# KiCad board Marble.kicad_pcb (continued)
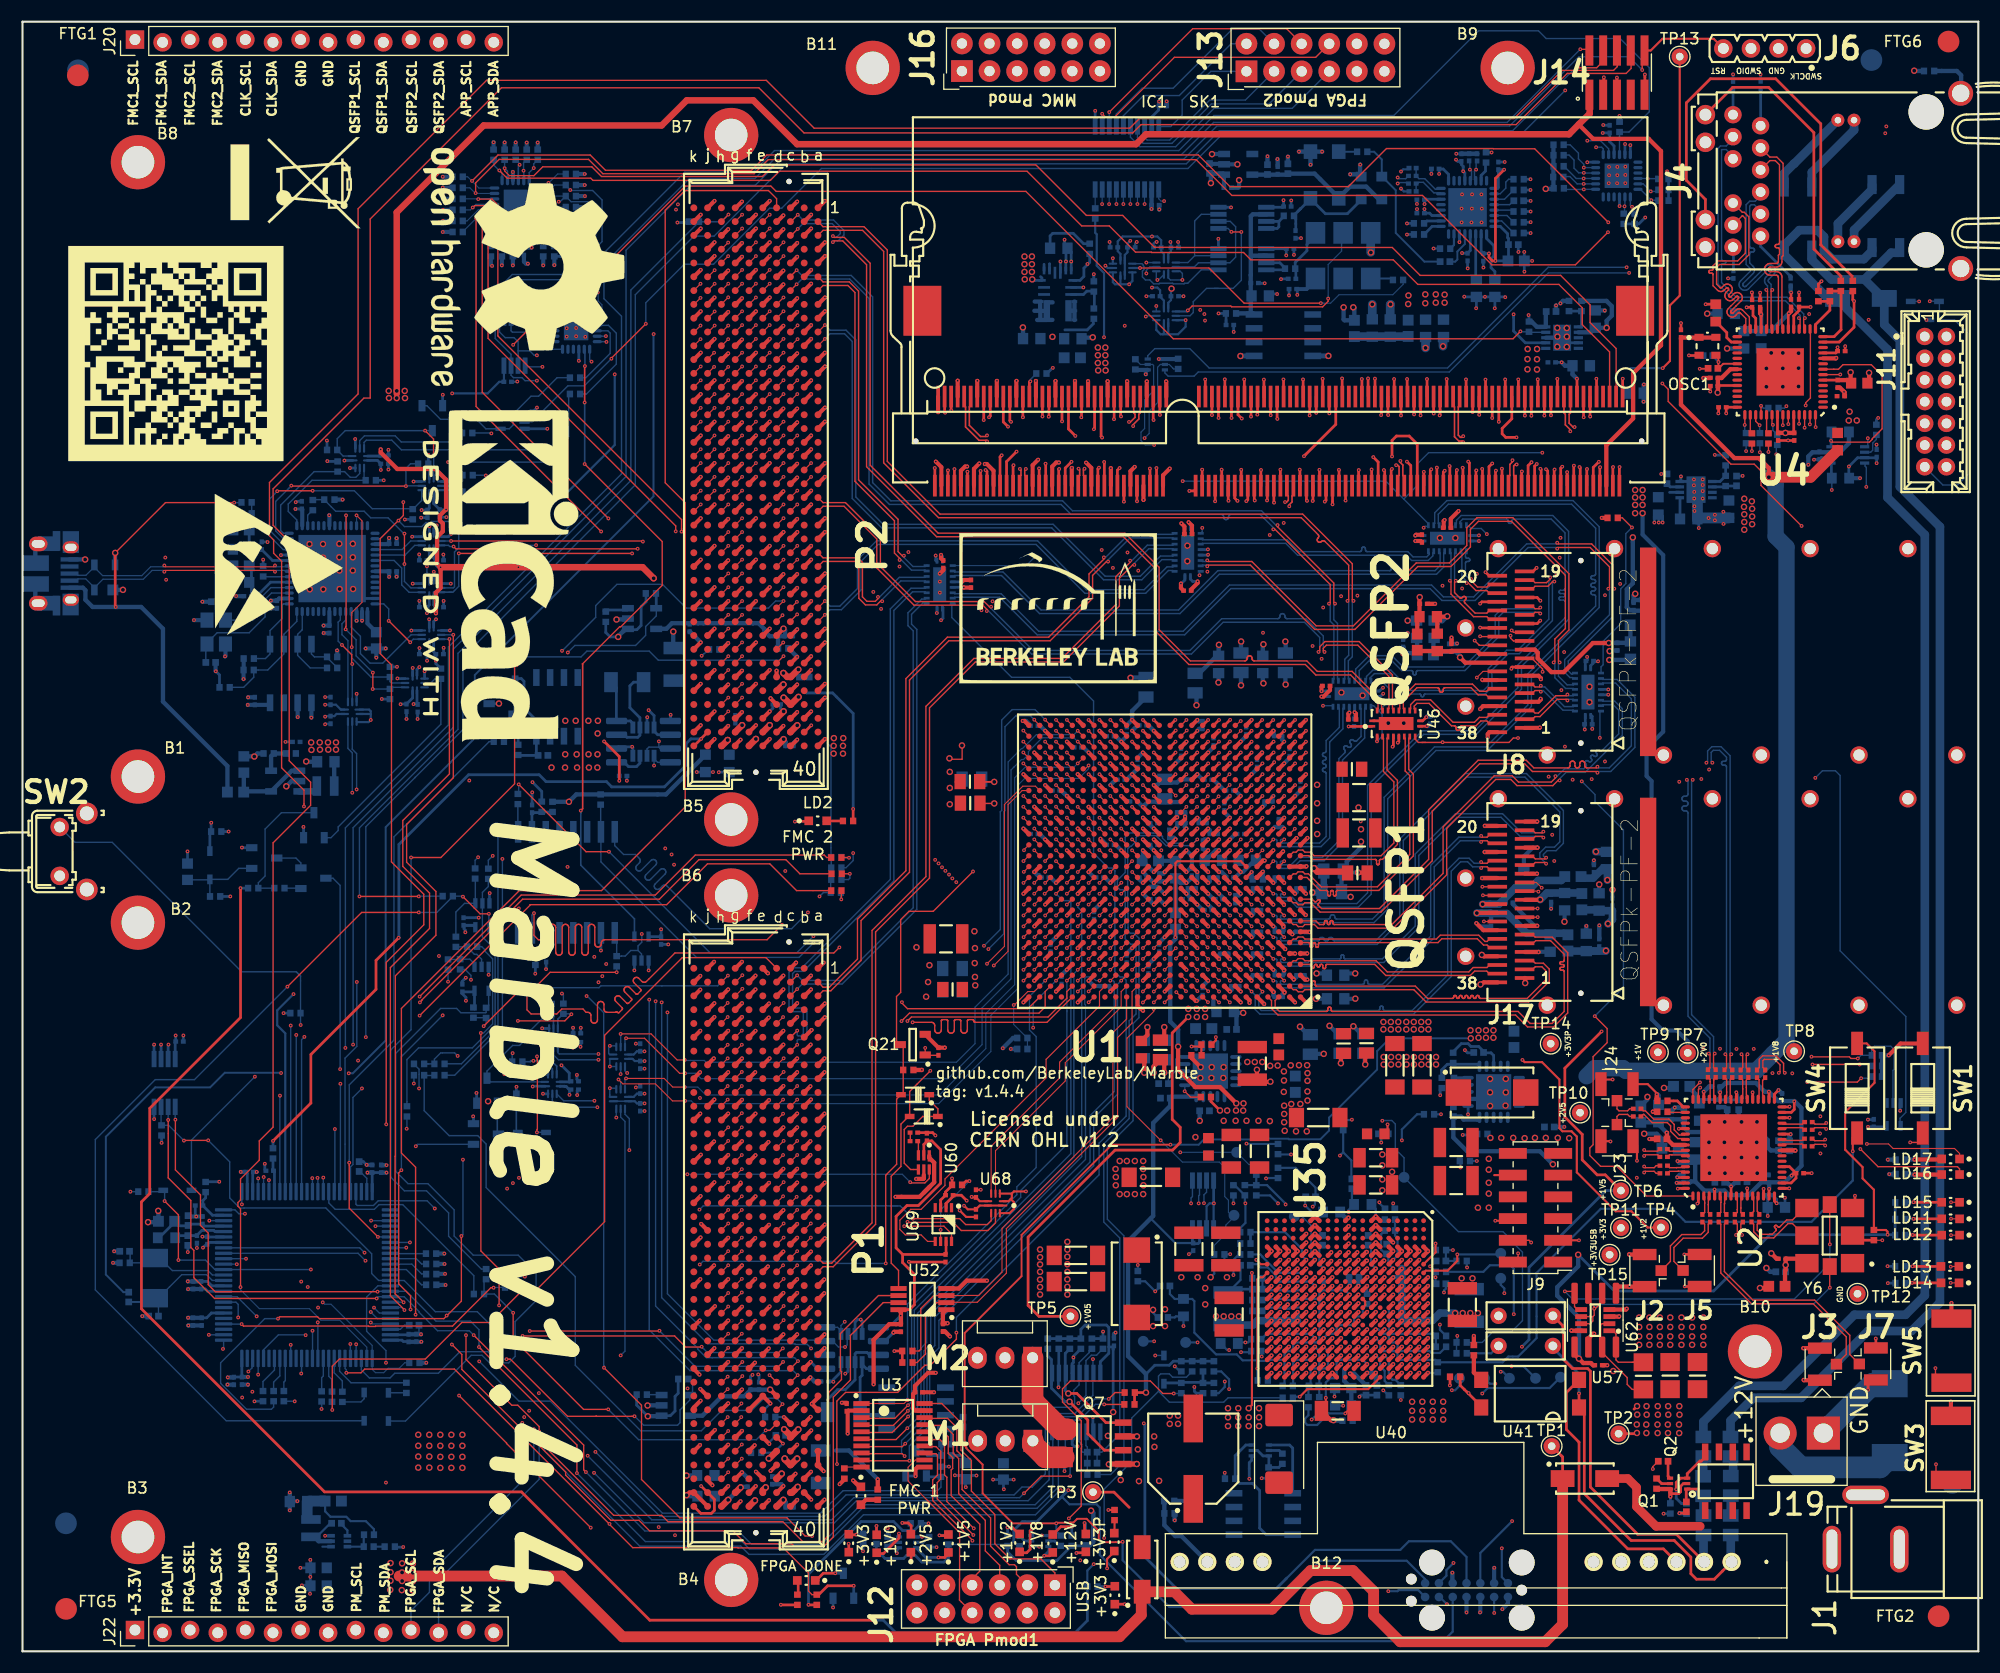
[diagram p0: board, top side]
## Routing (per net, layer and track width the routed paths; a pad name or vN(x,y) marks a point on that pad's centre or on a via; arc(x,y) is an arc through that point) (continued)
/ETH_PHY/RGMII_RXD1: length 112.5
  Top w0.102: U1.J8 111.12,67.73 111.14,67.73 v1(111.14,67.73)
  In2.Cu w0.127: v1(159.9,110.37) 159.73,110.2 159.43,110.2 157.53,108.3 157.53,102.8 158.18,102.15 158.18,99.81 158.17,99.74 158.15,99.68 158.11,99.62 158.06,99.58 158.01,99.54 157.94,99.52 157.88,99.51 157.83,99.51 157.76,99.5 157.7,99.48 157.64,99.44 157.59,99.4 157.56,99.34 157.53,99.28 157.53,99.21 157.53,99.14 157.56,99.08 157.59,99.02 157.64,98.98 157.7,98.94 157.76,98.92 157.83,98.91 158.3,98.91 158.33,98.91 158.35,98.9 158.38,98.88 158.4,98.86 158.41,98.84 158.42,98.81 158.43,98.78 158.43,98.43 158.42,98.41 158.41,98.38 158.4,98.36 158.38,98.34 158.35,98.32 158.33,98.31 158.3,98.31 157.83,98.31 157.76,98.3 157.7,98.28 157.64,98.24 157.59,98.2 157.56,98.14 157.53,98.08 157.53,98.01 157.53,97.94 157.56,97.88 157.59,97.82 157.64,97.78 157.7,97.74 157.76,97.72 157.83,97.71 158.3,97.71 158.33,97.71 158.35,97.7 158.38,97.68 158.4,97.66 158.41,97.64 158.42,97.61 158.43,97.58 158.43,97.23 158.42,97.21 158.41,97.18 158.4,97.16 158.38,97.14 158.35,97.12 158.33,97.11 158.3,97.11 157.83,97.11 157.76,97.1 157.7,97.08 157.64,97.04 157.59,97 157.56,96.94 157.53,96.88 157.53,96.81 157.53,96.74 157.56,96.68 157.59,96.62 157.64,96.58 157.7,96.54 157.76,96.52 157.83,96.51 158.3,96.51 158.33,96.51 158.35,96.5 158.38,96.48 158.4,96.46 158.41,96.44 158.42,96.41 158.43,96.38 158.43,96.03 158.42,96.01 158.41,95.98 158.4,95.96 158.38,95.94 158.35,95.92 158.33,95.91 158.3,95.91 157.83,95.91 157.76,95.9 157.7,95.88 157.64,95.84 157.59,95.8 157.56,95.74 157.53,95.68 157.53,95.61 157.53,95.54 157.56,95.48 157.59,95.42 157.64,95.38 157.7,95.34 157.76,95.32 157.83,95.31 158.3,95.31 158.33,95.31 158.35,95.3 158.38,95.28 158.4,95.26 158.41,95.24 158.42,95.21 158.43,95.18 158.43,94.83 158.42,94.81 158.41,94.78 158.4,94.76 158.38,94.74 158.35,94.72 158.33,94.71 158.3,94.71 157.83,94.71 157.76,94.7 157.7,94.68 157.64,94.64 157.59,94.6 157.56,94.54 157.53,94.48 157.53,94.41 157.53,94.34 157.56,94.28 157.59,94.22 157.64,94.18 157.7,94.14 157.76,94.12 157.83,94.11 158.3,94.11 158.33,94.11 158.35,94.1 158.38,94.08 158.4,94.06 158.41,94.04 158.42,94.01 158.43,93.98 158.43,93.63 158.42,93.61 158.41,93.58 158.4,93.56 158.38,93.54 158.35,93.52 158.33,93.51 158.3,93.51 157.83,93.51 157.76,93.5 157.7,93.48 157.64,93.44 157.59,93.4 157.56,93.34 157.53,93.28 157.53,93.21 157.53,93.14 157.56,93.08 157.59,93.02 157.64,92.98 157.7,92.94 157.76,92.92 157.83,92.91 158.3,92.91 158.33,92.91 158.35,92.9 158.38,92.88 158.4,92.86 158.41,92.84 158.42,92.81 158.43,92.78 158.43,92.43 158.42,92.41 158.41,92.38 158.4,92.36 158.38,92.34 158.35,92.32 158.33,92.31 158.3,92.31 157.83,92.31 157.76,92.3 157.7,92.28 157.64,92.24 157.59,92.2 157.56,92.14 157.53,92.08 157.53,92.01 157.53,91.94 157.56,91.88 157.59,91.82 157.64,91.78 157.7,91.74 157.76,91.72 157.83,91.71 158.3,91.71 158.33,91.71 158.35,91.7 158.38,91.68 158.4,91.66 158.41,91.64 158.42,91.61 158.43,91.58 158.43,91.23 158.42,91.21 158.41,91.18 158.4,91.16 158.38,91.14 158.35,91.12 158.33,91.11 158.3,91.11 157.83,91.11 157.76,91.1 157.7,91.08 157.64,91.04 157.59,91 157.56,90.94 157.53,90.88 157.53,90.81 157.53,90.74 157.56,90.68 157.59,90.62 157.64,90.58 157.7,90.54 157.76,90.52 157.83,90.51 158.3,90.51 158.33,90.51 158.35,90.5 158.38,90.48 158.4,90.46 158.41,90.44 158.42,90.41 158.43,90.38 158.43,90.03 158.42,90.01 158.41,89.98 158.4,89.96 158.38,89.94 158.35,89.92 158.33,89.91 158.3,89.91 157.83,89.91 157.76,89.9 157.7,89.88 157.64,89.84 157.59,89.8 157.56,89.74 157.53,89.68 157.53,89.61 157.53,89.54 157.56,89.48 157.59,89.42 157.64,89.38 157.7,89.34 157.76,89.32 157.83,89.31 158.3,89.31 158.33,89.31 158.35,89.3 158.38,89.28 158.4,89.26 158.41,89.24 158.42,89.21 158.43,89.18 158.43,88.83 158.42,88.81 158.41,88.78 158.4,88.76 158.38,88.74 158.35,88.72 158.33,88.71 158.3,88.71 157.83,88.71 157.76,88.7 157.7,88.68 157.64,88.64 157.59,88.6 157.56,88.54 157.53,88.48 157.53,88.41 157.53,88.34 157.56,88.28 157.59,88.22 157.64,88.18 157.7,88.14 157.76,88.12 157.83,88.11 158.3,88.11 158.33,88.11 158.35,88.1 158.38,88.08 158.4,88.06 158.41,88.04 158.42,88.01 158.43,87.98 158.43,87.63 158.42,87.61 158.41,87.58 158.4,87.56 158.38,87.54 158.35,87.52 158.33,87.51 158.3,87.51 157.83,87.51 157.76,87.5 157.7,87.48 157.64,87.44 157.59,87.4 157.56,87.34 157.53,87.28 157.53,87.21 157.53,87.14 157.56,87.08 157.59,87.02 157.64,86.98 157.7,86.94 157.76,86.92 157.83,86.91 158.3,86.91 158.33,86.91 158.35,86.9 158.38,86.88 158.4,86.86 158.41,86.84 158.42,86.81 158.43,86.78 158.43,86.43 158.42,86.41 158.41,86.38 158.4,86.36 158.38,86.34 158.35,86.32 158.33,86.31 158.3,86.31 157.83,86.31 157.76,86.3 157.7,86.28 157.64,86.24 157.59,86.2 157.56,86.14 157.53,86.08 157.53,86.01 157.53,85.94 157.56,85.88 157.59,85.82 157.64,85.78 157.7,85.74 157.76,85.72 157.83,85.71 158.3,85.71 158.33,85.71 158.35,85.7 158.38,85.68 158.4,85.66 158.41,85.64 158.42,85.61 158.43,85.58 158.43,85.23 158.42,85.21 158.41,85.18 158.4,85.16 158.38,85.14 158.35,85.12 158.33,85.11 158.3,85.11 157.83,85.11 157.76,85.1 157.7,85.08 157.64,85.04 157.59,85 157.56,84.94 157.53,84.88 157.53,84.81 157.53,84.74 157.56,84.68 157.59,84.62 157.64,84.58 157.7,84.54 157.76,84.52 157.83,84.51 158.3,84.51 158.33,84.51 158.35,84.5 158.38,84.48 158.4,84.46 158.41,84.44 158.42,84.41 158.43,84.38 158.43,84.03 158.42,84.01 158.41,83.98 158.4,83.96 158.38,83.94 158.35,83.92 158.33,83.91 158.3,83.91 157.83,83.91 157.76,83.9 157.7,83.88 157.64,83.84 157.59,83.8 157.56,83.74 157.53,83.68 157.53,83.61 157.53,83.54 157.56,83.48 157.59,83.42 157.64,83.38 157.7,83.34 157.76,83.32 157.83,83.31 158.3,83.31 158.33,83.31 158.35,83.3 158.38,83.28 158.4,83.26 158.41,83.24 158.42,83.21 158.43,83.18 158.43,82.83 158.42,82.81 158.41,82.78 158.4,82.76 158.38,82.74 158.35,82.72 158.33,82.71 158.3,82.71 157.83,82.71 157.76,82.7 157.7,82.68 157.64,82.64 157.59,82.6 157.56,82.54 157.53,82.48 157.53,82.41 157.53,82.34 157.56,82.28 157.59,82.22 157.64,82.18 157.7,82.14 157.76,82.12 157.83,82.11 158.3,82.11 158.33,82.11 158.35,82.1 158.38,82.08 158.4,82.06 158.41,82.04 158.42,82.01 158.43,81.98 158.43,81.63 158.42,81.61 158.41,81.58 158.4,81.56 158.38,81.54 158.35,81.52 158.33,81.51 158.27,81.51 158.25,81.5 158.22,81.48 158.2,81.46 158.19,81.44 158.18,81.41 158.18,81.38 158.18,77.16 146.99,65.97 129.23,65.97 129.2,65.97 129.18,65.96 129.16,65.94 129.14,65.93 129.13,65.91 129.12,65.88 129.11,65.83 129.1,65.81 129.09,65.78 129.07,65.77 129.05,65.75 129.03,65.74 129,65.74 128.63,65.74 128.6,65.74 128.58,65.75 128.56,65.77 128.54,65.78 128.53,65.81 128.52,65.83 128.52,65.86 128.52,66.65 128.51,66.71 128.49,66.78 128.45,66.83 128.4,66.88 128.35,66.92 128.28,66.94 128.22,66.95 128.15,66.94 128.09,66.92 128.03,66.88 127.98,66.83 127.94,66.78 127.92,66.71 127.92,66.65 127.92,65.97 127.9,65.97 127.9,65.86 127.9,65.83 127.89,65.81 127.88,65.78 127.86,65.77 127.84,65.75 127.82,65.74 127.79,65.74 127.42,65.74 127.39,65.74 127.37,65.75 127.35,65.77 127.33,65.78 127.32,65.81 127.31,65.83 127.3,65.88 127.29,65.91 127.28,65.93 127.26,65.94 127.24,65.96 127.22,65.97 127.19,65.97 126.82,65.97 125.9,66.89 119.5,66.89 118.27,68.12 111.53,68.12 v1(111.14,67.73)
  Bottom w0.127: R294.2 v1(159.9,110.37)
/ETH_PHY/RGMII_RXD2: length 112.5
  Top w0.102: U1.H8 v1(111.12,66.73)
  Top w0.127: R295.2 v1(160.69,110.4)
  In2.Cu w0.127: v1(111.12,66.73) 111.37,66.73 111.99,67.35 118.65,67.35 119.61,66.39 125.84,66.39 126.76,65.47 147.33,65.47 158.68,76.82 158.68,83.13 158.68,83.2 158.71,83.26 158.74,83.32 158.79,83.36 158.85,83.4 158.91,83.42 158.98,83.43 159.61,83.43 159.67,83.44 159.74,83.46 159.79,83.5 159.84,83.54 159.88,83.6 159.9,83.66 159.91,83.73 159.9,83.8 159.88,83.86 159.84,83.92 159.79,83.96 159.74,84 159.67,84.02 159.61,84.03 158.98,84.03 158.91,84.04 158.85,84.06 158.79,84.1 158.74,84.14 158.71,84.2 158.68,84.26 158.68,84.33 158.68,84.4 158.71,84.46 158.74,84.52 158.79,84.56 158.85,84.6 158.91,84.62 158.98,84.63 159.61,84.63 159.67,84.64 159.74,84.66 159.79,84.7 159.84,84.74 159.88,84.8 159.9,84.86 159.91,84.93 159.9,85 159.88,85.06 159.84,85.12 159.79,85.16 159.74,85.2 159.67,85.22 159.61,85.23 158.98,85.23 158.91,85.24 158.85,85.26 158.79,85.3 158.74,85.34 158.71,85.4 158.68,85.46 158.68,85.53 158.68,85.6 158.71,85.66 158.74,85.72 158.79,85.76 158.85,85.8 158.91,85.82 158.98,85.83 159.61,85.83 159.67,85.84 159.74,85.86 159.79,85.9 159.84,85.94 159.88,86 159.9,86.06 159.91,86.13 159.9,86.2 159.88,86.26 159.84,86.32 159.79,86.36 159.74,86.4 159.67,86.42 159.61,86.43 158.98,86.43 158.91,86.44 158.85,86.46 158.79,86.5 158.74,86.54 158.71,86.6 158.68,86.66 158.68,86.73 158.68,86.8 158.71,86.86 158.74,86.92 158.79,86.96 158.85,87 158.91,87.02 158.98,87.03 159.61,87.03 159.67,87.04 159.74,87.06 159.79,87.1 159.84,87.14 159.88,87.2 159.9,87.26 159.91,87.33 159.9,87.4 159.88,87.46 159.84,87.52 159.79,87.56 159.74,87.6 159.67,87.62 159.61,87.63 158.98,87.63 158.91,87.64 158.85,87.66 158.79,87.7 158.74,87.74 158.71,87.8 158.68,87.86 158.68,87.93 158.68,88 158.71,88.06 158.74,88.12 158.79,88.16 158.85,88.2 158.91,88.22 158.98,88.23 159.61,88.23 159.67,88.24 159.74,88.26 159.79,88.3 159.84,88.34 159.88,88.4 159.9,88.46 159.91,88.53 159.9,88.6 159.88,88.66 159.84,88.72 159.79,88.76 159.74,88.8 159.67,88.82 159.61,88.83 158.98,88.83 158.91,88.84 158.85,88.86 158.79,88.9 158.74,88.94 158.71,89 158.68,89.06 158.68,89.13 158.68,89.2 158.71,89.26 158.74,89.32 158.79,89.36 158.85,89.4 158.91,89.42 158.98,89.43 159.61,89.43 159.67,89.44 159.74,89.46 159.79,89.5 159.84,89.54 159.88,89.6 159.9,89.66 159.91,89.73 159.9,89.8 159.88,89.86 159.84,89.92 159.79,89.96 159.74,90 159.67,90.02 159.61,90.03 158.98,90.03 158.91,90.04 158.85,90.06 158.79,90.1 158.74,90.14 158.71,90.2 158.68,90.26 158.68,90.33 158.68,90.4 158.71,90.46 158.74,90.52 158.79,90.56 158.85,90.6 158.91,90.62 158.98,90.63 159.61,90.63 159.67,90.64 159.74,90.66 159.79,90.7 159.84,90.74 159.88,90.8 159.9,90.86 159.91,90.93 159.9,91 159.88,91.06 159.84,91.12 159.79,91.16 159.74,91.2 159.67,91.22 159.61,91.23 158.98,91.23 158.91,91.24 158.85,91.26 158.79,91.3 158.74,91.34 158.71,91.4 158.68,91.46 158.68,91.53 158.68,91.6 158.71,91.66 158.74,91.72 158.79,91.76 158.85,91.8 158.91,91.82 158.98,91.83 159.61,91.83 159.67,91.84 159.74,91.86 159.79,91.9 159.84,91.94 159.88,92 159.9,92.06 159.91,92.13 159.9,92.2 159.88,92.26 159.84,92.32 159.79,92.36 159.74,92.4 159.67,92.42 159.61,92.43 158.98,92.43 158.91,92.44 158.85,92.46 158.79,92.5 158.74,92.54 158.71,92.6 158.68,92.66 158.68,92.73 158.68,92.8 158.71,92.86 158.74,92.92 158.79,92.96 158.85,93 158.91,93.02 158.98,93.03 159.61,93.03 159.67,93.04 159.74,93.06 159.79,93.1 159.84,93.14 159.88,93.2 159.9,93.26 159.91,93.33 159.9,93.4 159.88,93.46 159.84,93.52 159.79,93.56 159.74,93.6 159.67,93.62 159.61,93.63 158.98,93.63 158.91,93.64 158.85,93.66 158.79,93.7 158.74,93.74 158.71,93.8 158.68,93.86 158.68,93.93 158.68,94 158.71,94.06 158.74,94.12 158.79,94.16 158.85,94.2 158.91,94.22 158.98,94.23 159.61,94.23 159.67,94.24 159.74,94.26 159.79,94.3 159.84,94.34 159.88,94.4 159.9,94.46 159.91,94.53 159.9,94.6 159.88,94.66 159.84,94.72 159.79,94.76 159.74,94.8 159.67,94.82 159.61,94.83 158.98,94.83 158.91,94.84 158.85,94.86 158.79,94.9 158.74,94.94 158.71,95 158.68,95.06 158.68,95.13 158.68,95.2 158.71,95.26 158.74,95.32 158.79,95.36 158.85,95.4 158.91,95.42 158.98,95.43 159.61,95.43 159.67,95.44 159.74,95.46 159.79,95.5 159.84,95.54 159.88,95.6 159.9,95.66 159.91,95.73 159.9,95.8 159.88,95.86 159.84,95.92 159.79,95.96 159.74,96 159.67,96.02 159.61,96.03 158.98,96.03 158.91,96.04 158.85,96.06 158.79,96.1 158.74,96.14 158.71,96.2 158.68,96.26 158.68,96.33 158.68,96.4 158.71,96.46 158.74,96.52 158.79,96.56 158.85,96.6 158.91,96.62 158.98,96.63 159.61,96.63 159.67,96.64 159.74,96.66 159.79,96.7 159.84,96.74 159.88,96.8 159.9,96.86 159.91,96.93 159.9,97 159.88,97.06 159.84,97.12 159.79,97.16 159.74,97.2 159.67,97.22 159.61,97.23 158.98,97.23 158.91,97.24 158.85,97.26 158.79,97.3 158.74,97.34 158.71,97.4 158.68,97.46 158.68,97.53 158.68,100 159.93,101.25 159.93,108.07 160.69,108.83 v1(160.69,110.4)
/ETH_PHY/RGMII_RXD3: length 112.5
  Top w0.102: U1.H9 v1(110.12,66.73)
  In2.Cu w0.127: v1(110.12,66.73) 110.51,66.34 116.64,66.34 116.7,66.4 117.27,66.4 117.82,65.85 124.61,65.85 125.45,65.01 147.76,65.01 151.42,68.68 151.45,68.7 151.49,68.72 151.53,68.72 151.56,68.72 151.6,68.72 151.64,68.7 151.7,68.65 151.73,68.63 151.77,68.63 151.81,68.63 151.85,68.63 151.88,68.65 151.91,68.68 152.09,68.86 152.12,68.89 152.13,68.92 152.14,68.96 152.14,69 152.13,69.03 152.12,69.07 152.09,69.1 151.85,69.34 151.82,69.37 151.81,69.41 151.8,69.45 151.8,69.49 151.81,69.52 151.82,69.56 151.85,69.59 152.03,69.77 152.06,69.79 152.09,69.81 152.13,69.82 152.17,69.82 152.21,69.81 152.24,69.79 152.27,69.77 152.52,69.52 152.55,69.5 152.58,69.48 152.62,69.47 152.66,69.47 152.69,69.48 152.73,69.5 152.76,69.52 152.94,69.7 152.96,69.73 152.98,69.77 152.99,69.81 152.99,69.85 152.98,69.88 152.96,69.92 152.94,69.95 152.7,70.19 152.67,70.22 152.65,70.26 152.65,70.29 152.65,70.33 152.65,70.37 152.67,70.41 152.7,70.44 152.88,70.62 152.91,70.64 152.94,70.66 152.98,70.67 153.02,70.67 153.05,70.66 153.09,70.64 153.12,70.62 153.36,70.37 153.39,70.35 153.43,70.33 153.47,70.32 153.51,70.32 153.54,70.33 153.58,70.35 153.61,70.37 153.79,70.55 153.81,70.58 153.83,70.62 153.84,70.66 153.84,70.69 153.83,70.73 153.81,70.77 153.79,70.8 153.54,71.04 153.52,71.07 153.5,71.11 153.49,71.14 153.49,71.18 153.5,71.22 153.52,71.25 153.54,71.28 153.72,71.47 153.75,71.49 153.79,71.51 153.83,71.51 153.87,71.51 153.9,71.51 153.94,71.49 153.97,71.47 154.21,71.22 154.24,71.2 154.28,71.18 154.31,71.17 154.35,71.17 154.39,71.18 154.43,71.2 154.46,71.22 154.64,71.4 154.66,71.43 154.68,71.47 154.69,71.5 154.69,71.54 154.68,71.58 154.66,71.62 154.64,71.65 154.39,71.89 154.37,71.92 154.35,71.95 154.34,71.99 154.34,72.03 154.35,72.07 154.37,72.1 154.39,72.13 154.57,72.31 154.6,72.34 154.64,72.35 154.68,72.36 154.71,72.36 154.75,72.35 154.79,72.34 154.82,72.31 155.06,72.07 155.09,72.05 155.13,72.03 155.16,72.02 155.2,72.02 155.24,72.03 155.27,72.05 155.3,72.07 155.49,72.25 155.51,72.28 155.53,72.31 155.53,72.35 155.53,72.39 155.53,72.43 155.51,72.46 155.49,72.49 155.24,72.74 155.22,72.77 155.2,72.8 155.19,72.84 155.19,72.88 155.2,72.92 155.22,72.95 155.24,72.98 155.42,73.16 155.45,73.19 155.49,73.2 155.52,73.21 155.56,73.21 155.6,73.2 155.64,73.19 155.67,73.16 155.91,72.92 155.94,72.89 155.97,72.88 156.01,72.87 156.05,72.87 156.09,72.88 156.12,72.89 156.15,72.92 156.33,73.1 156.36,73.13 156.37,73.16 156.38,73.2 156.38,73.24 156.37,73.28 156.36,73.31 156.33,73.34 156.09,73.59 156.07,73.62 156.05,73.65 156.04,73.69 156.04,73.73 156.05,73.77 156.07,73.8 156.09,73.83 156.27,74.01 156.3,74.03 156.33,74.05 156.37,74.06 156.41,74.06 156.45,74.05 156.48,74.03 156.51,74.01 156.76,73.77 156.79,73.74 156.82,73.73 156.86,73.72 156.9,73.72 156.94,73.73 156.97,73.74 157,73.77 157.18,73.95 157.21,73.98 157.22,74.01 157.23,74.05 157.23,74.09 157.22,74.13 157.21,74.16 157.18,74.19 156.94,74.43 156.91,74.47 156.9,74.5 156.89,74.54 156.89,74.58 156.9,74.61 156.91,74.65 156.94,74.68 157.12,74.86 157.15,74.88 157.18,74.9 157.22,74.91 157.26,74.91 157.3,74.9 157.33,74.88 157.36,74.86 157.61,74.62 157.64,74.59 157.67,74.57 157.71,74.57 157.75,74.57 157.79,74.57 157.82,74.59 157.85,74.62 158.03,74.8 158.05,74.83 158.07,74.86 158.08,74.9 158.08,74.94 158.07,74.97 158.05,75.01 158.03,75.04 157.79,75.28 157.76,75.31 157.75,75.35 157.74,75.39 157.74,75.42 157.75,75.46 157.76,75.5 157.79,75.53 157.97,75.71 158,75.73 158.03,75.75 158.07,75.76 158.11,75.76 158.15,75.75 158.18,75.73 158.21,75.71 158.45,75.46 158.49,75.44 158.52,75.42 158.56,75.41 158.6,75.41 158.63,75.42 158.67,75.44 158.7,75.46 158.88,75.64 158.9,75.67 158.92,75.71 158.93,75.75 158.93,75.79 158.92,75.82 158.9,75.86 158.88,75.89 158.76,76.01 158.76,76.01 158.64,76.13 158.61,76.16 158.6,76.2 158.59,76.24 158.59,76.28 158.6,76.31 158.61,76.35 158.64,76.38 158.82,76.56 158.85,76.58 158.88,76.6 158.92,76.61 158.96,76.61 159,76.6 159.03,76.58 159.09,76.53 159.13,76.52 159.16,76.51 159.2,76.51 159.24,76.52 159.27,76.53 159.31,76.56 159.38,76.63 159.38,77.29 159.38,77.32 159.39,77.35 159.41,77.38 159.43,77.41 159.46,77.42 159.49,77.43 159.56,77.44 159.59,77.45 159.62,77.47 159.64,77.49 159.66,77.52 159.67,77.55 159.67,77.59 159.67,77.89 159.67,77.92 159.66,77.95 159.64,77.98 159.62,78.01 159.59,78.02 159.56,78.03 159.52,78.04 159.15,78.04 159.1,78.04 159.06,78.06 159.01,78.09 158.98,78.12 158.95,78.16 158.94,78.21 158.93,78.26 158.93,78.42 158.94,78.46 158.95,78.51 158.98,78.55 159.01,78.59 159.06,78.62 159.1,78.63 159.15,78.64 159.52,78.64 159.56,78.64 159.59,78.65 159.62,78.67 159.64,78.69 159.66,78.72 159.67,78.75 159.67,78.79 159.67,79.09 159.67,79.12 159.66,79.15 159.64,79.18 159.62,79.21 159.59,79.22 159.56,79.23 159.52,79.24 159.38,79.24 159.38,79.24 159.15,79.24 159.1,79.25 159.06,79.26 159.01,79.29 158.98,79.32 158.95,79.37 158.94,79.41 158.93,79.46 158.93,79.62 158.94,79.67 158.95,79.71 158.98,79.76 159.01,79.79 159.06,79.82 159.1,79.83 159.2,79.85 159.25,79.86 159.29,79.89 159.33,79.92 159.35,79.97 159.37,80.01 159.38,80.06 160.01,80.7 160.02,80.71 160.03,80.71 160.04,80.71 160.05,80.71 160.06,80.71 160.07,80.71 160.09,80.69 160.1,80.69 160.11,80.68 160.12,80.68 160.13,80.69 160.14,80.69 160.15,80.7 160.51,81.05 160.51,81.06 160.52,81.07 160.52,81.08 160.52,81.09 160.52,81.1 160.51,81.11 160.51,81.12 160.47,81.16 160.47,81.16 160.37,81.26 160.35,81.29 160.33,81.32 160.33,81.35 160.33,81.38 160.33,81.42 160.35,81.45 160.37,81.47 160.58,81.69 160.61,81.71 160.64,81.72 160.67,81.73 160.7,81.73 160.74,81.72 160.77,81.71 160.82,81.67 160.85,81.65 160.88,81.65 160.91,81.65 160.95,81.65 160.98,81.67 161,81.69 161.18,81.86 161.18,82.41 161.18,82.42 161.18,82.44 161.19,82.45 161.2,82.46 161.22,82.47 161.23,82.48 161.27,82.48 161.28,82.49 161.29,82.49 161.31,82.51 161.31,82.52 161.32,82.54 161.32,82.55 161.32,83.01 161.32,83.02 161.31,83.04 161.3,83.05 161.29,83.06 161.28,83.07 161.26,83.08 161.25,83.08 160.93,83.08 160.87,83.08 160.82,83.1 160.77,83.13 160.73,83.17 160.7,83.22 160.69,83.27 160.68,83.33 160.68,83.43 160.69,83.49 160.7,83.54 160.73,83.58 160.77,83.62 160.82,83.65 160.87,83.67 160.93,83.68 161.25,83.68 161.26,83.68 161.28,83.69 161.29,83.69 161.3,83.71 161.31,83.72 161.32,83.74 161.32,83.75 161.32,84.21 161.32,84.22 161.31,84.24 161.3,84.25 161.29,84.26 161.28,84.27 161.26,84.28 161.25,84.28 160.48,84.28 160.41,84.28 160.35,84.31 160.29,84.34 160.24,84.39 160.21,84.45 160.18,84.51 160.18,84.58 160.18,84.64 160.21,84.71 160.24,84.76 160.29,84.81 160.35,84.85 160.41,84.87 160.48,84.88 161.24,84.88 161.26,84.88 161.28,84.89 161.29,84.89 161.3,84.91 161.31,84.92 161.31,84.94 161.32,84.95 161.32,85.41 161.31,85.42 161.31,85.44 161.3,85.45 161.29,85.46 161.27,85.47 161.26,85.48 161.24,85.48 160.47,85.48 160.41,85.48 160.34,85.51 160.29,85.54 160.24,85.59 160.2,85.65 160.18,85.71 160.17,85.78 160.18,85.84 160.2,85.91 160.24,85.96 160.29,86.01 160.34,86.05 160.41,86.07 160.47,86.08 161.24,86.08 161.26,86.08 161.27,86.09 161.29,86.09 161.3,86.11 161.31,86.12 161.31,86.14 161.31,86.15 161.31,86.61 161.31,86.62 161.31,86.64 161.3,86.65 161.29,86.66 161.27,86.67 161.26,86.68 161.24,86.68 160.47,86.68 160.41,86.68 160.34,86.71 160.29,86.74 160.24,86.79 160.2,86.85 160.18,86.91 160.17,86.98 160.18,87.04 160.2,87.11 160.24,87.16 160.28,87.21 160.34,87.25 160.4,87.27 160.47,87.28 161.24,87.28 161.25,87.28 161.27,87.29 161.28,87.29 161.3,87.31 161.3,87.32 161.31,87.34 161.31,87.35 161.31,87.81 161.31,87.82 161.3,87.84 161.29,87.85 161.28,87.86 161.27,87.87 161.25,87.88 161.24,87.88 160.47,87.88 160.4,87.88 160.34,87.91 160.28,87.94 160.23,87.99 160.2,88.05 160.18,88.11 160.17,88.18 160.18,88.24 160.2,88.31 160.23,88.36 160.28,88.41 160.34,88.45 160.4,88.47 160.47,88.48 160.86,88.48 160.93,88.49 160.99,88.51 161.05,88.54 161.1,88.59 161.13,88.65 161.16,88.71 161.16,88.78 161.16,88.85 160.31,89.7 160.31,107 161.41,108.1 v1(161.41,110.18)
  Bottom w0.127: v1(161.41,110.18) 161.41,110.95 R296.2
/ETH_PHY/RGMII_TX_CLK: length 102.3
  Top w0.102: U1.F10 v1(109.06,64.79)
  Top w0.127: v1(163.51,112.99) 163.52,113 U4.53
  In2.Cu w0.127: v1(109.06,64.79) 109.57,64.29 116.03,64.29 116.08,64.24 116.62,64.24 116.97,64.59 121.93,64.59 124.43,62.09 134.52,62.09 135.31,62.88 135.73,62.88 135.75,62.88 135.77,62.87 135.79,62.86 135.8,62.85 135.81,62.83 135.82,62.81 135.82,62.77 135.83,62.75 135.84,62.74 135.85,62.72 135.87,62.71 135.89,62.7 135.91,62.7 136.33,62.7 136.35,62.7 136.37,62.71 136.39,62.72 136.4,62.74 136.41,62.75 136.42,62.77 136.42,62.79 136.42,62.88 136.43,62.88 136.43,63.12 136.44,63.17 136.46,63.22 136.48,63.26 136.52,63.3 136.57,63.33 136.62,63.35 136.67,63.35 136.79,63.35 136.85,63.35 136.9,63.33 136.94,63.3 136.98,63.26 137.01,63.22 137.03,63.17 137.03,63.12 137.03,62.79 137.03,62.77 137.04,62.75 137.05,62.74 137.07,62.72 137.08,62.71 137.1,62.7 137.12,62.7 137.54,62.7 137.56,62.7 137.58,62.71 137.6,62.72 137.61,62.74 137.62,62.75 137.63,62.77 137.63,62.79 137.63,63.12 137.64,63.17 137.66,63.22 137.68,63.26 137.72,63.3 137.77,63.33 137.82,63.35 137.87,63.35 137.99,63.35 138.05,63.35 138.1,63.33 138.14,63.3 138.18,63.26 138.21,63.22 138.23,63.17 138.23,63.12 138.23,62.79 138.23,62.77 138.24,62.75 138.25,62.74 138.27,62.72 138.28,62.71 138.3,62.7 138.32,62.7 138.74,62.7 138.76,62.7 138.78,62.71 138.8,62.72 138.81,62.74 138.82,62.75 138.83,62.77 138.83,62.79 138.83,63.12 138.84,63.17 138.86,63.22 138.88,63.26 138.92,63.3 138.97,63.33 139.02,63.35 139.07,63.35 139.19,63.35 139.25,63.35 139.3,63.33 139.34,63.3 139.38,63.26 139.41,63.22 139.43,63.17 139.44,63.06 139.46,63.01 139.48,62.97 139.52,62.93 139.57,62.9 139.62,62.88 139.67,62.88 148.24,62.88 160.69,75.32 160.69,79.51 162.35,81.18 162.35,89.98 161.64,90.68 161.64,106.01 162.37,106.74 162.37,109.7 163.51,110.84 v1(163.51,112.99)
